# Altium PCB Starboard Solar Panel 2U.PcbDoc
Units mm, origin at the board's own origin, x right, y up, seen from the top; angles counter-clockwise.
Board outline 214 x 87 mm, 2 copper layers (Top Layer, Bottom Layer), stack 1.649 mm thick; 64 components, 44 nets, 228 pads, 723 vias.
Unrouted connection lines stored in the file: 33.
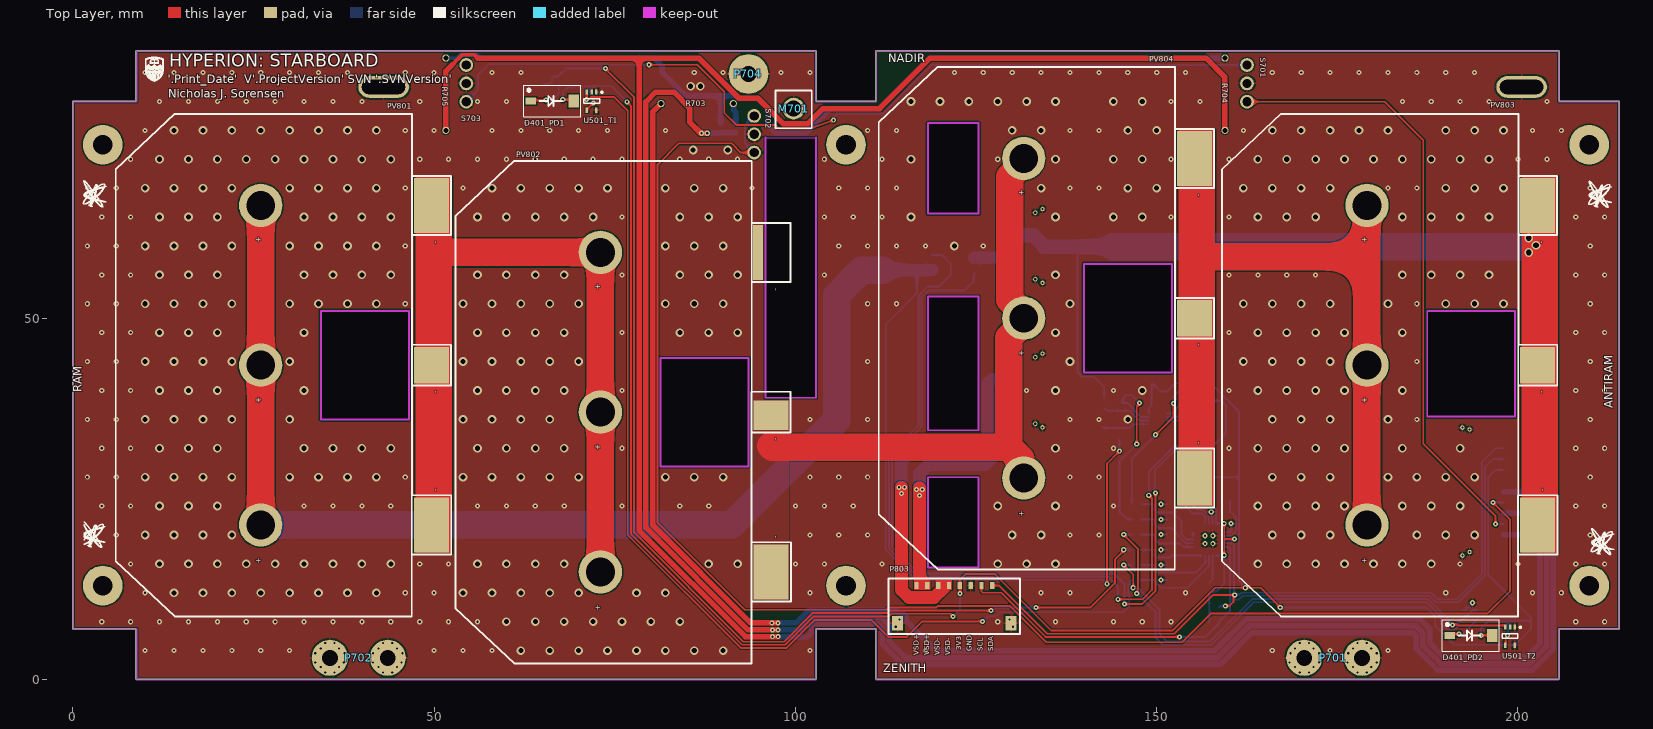
[diagram p0: Top Layer view]
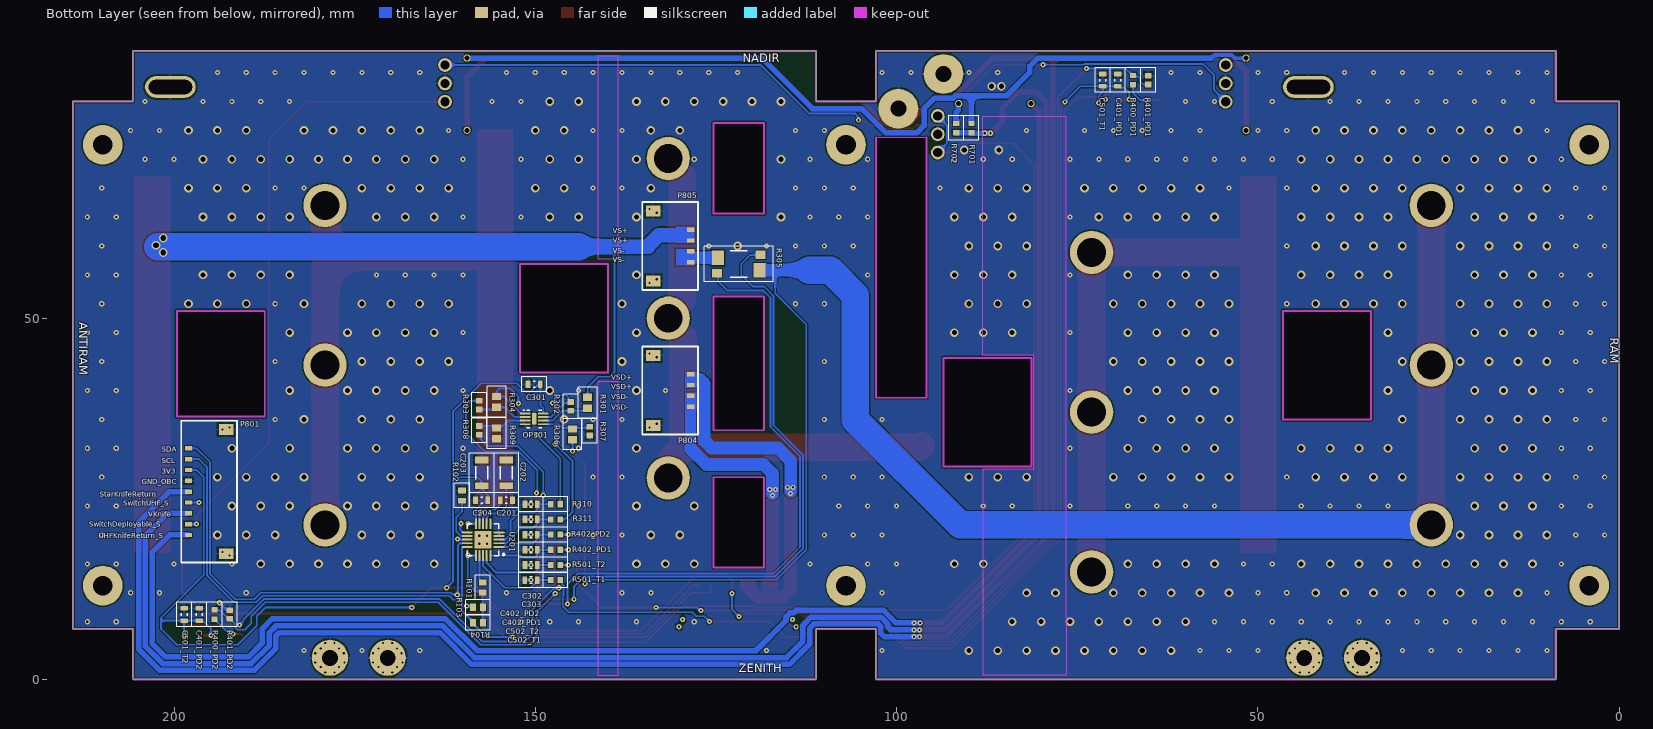
[diagram p1: Bottom Layer view, seen from below]

## Layer stack, top to bottom
Top Solder: solder mask 0.01, Solder Resist, Dk 3.5
Top Layer: signal copper 0.07
Dielectric 1: dielectric 1.509, FR-4, Dk 4.8
Bottom Layer: signal copper 0.07
Bottom Solder: solder mask 0.01, Solder Resist, Dk 3.5

## Board outline
0,7 8.7,7 8.7,0 102.85,0 102.85,7 111.15,7 111.15,0 205.7,0 205.7,7 214,7 214,80 205.697,80 205.697,87 111.15,87 111.15,80 102.85,80 102.85,87 8.7,87 8.7,80 0,80
cut-out: 118.35,28 125.35,28 125.35,15.5 118.35,15.5
cut-out: 118.35,53 125.35,53 125.35,34.5 118.35,34.5
cut-out: 118.35,77 125.35,77 125.35,64.5 118.35,64.5
cut-out: 93.5,44.5 81.35,44.5 81.35,29.5 93.5,29.5
cut-out: 46.5,51 34.35,51 34.35,36 46.5,36
cut-out: 95.85,75 102.85,75 102.85,39 95.85,39
cut-out: 199.6,51 187.45,51 187.45,36.4 199.6,36.4
cut-out: 152.1,57.5 139.95,57.5 139.95,42.5 152.1,42.5

## Design rules (kind name [scope] priority, off if disabled: settings)
BoardOutlineClearance BoardOutlineClearance_1 [InComponent('PV80?') and OnSilkscreen] p1: gap=0 ignorepadtopadclearanceinfootprint=FALSE
BoardOutlineClearance [All] p2: gap=0.254 ignorepadtopadclearanceinfootprint=FALSE
Clearance Clearance_1 [(InComponent('P701') OR InComponent('P702')) AND InNet('V-') vs InNet('GND')] p1: gap=0.5 ignorepadtopadclearanceinfootprint=FALSE
Clearance [All] p2: gap=0.178 ignorepadtopadclearanceinfootprint=FALSE
HoleSize [All] p1: absolutevalues=TRUE maxlimit=6 minlimit=0.3 maxpercent=80.000 minpercent=20.000
MinimumAnnularRing [All] p1: minimumring=0.15
MinimumSolderMaskSliver [All] p1: minsoldermaskwidth=0.127
NetAntennae [NOT(InNet('VIN6'))] p1: netantennaetolerance=0
PolygonConnect [All] p1: connectstyle=Relief reliefconductorwidth=0.254 reliefentries=4 polygonreliefangle="90 Angle" airgapwidth=0.254
RoutingVias [All] p1: holewidth=0.3 width=0.7 viastyle="Through Hole" minholewidth=0.2 minwidth=0.4 maxholewidth=6 maxwidth=7 useviatemplates=TRUE viatemplateguid#1={C0ACB580-7B02-4CDD-BB7A-85277FB6FBC0} viatemplatename#1=v70h30m0mx0
SilkToSilkClearance [All] p1: silktosilkclearance=0.025
SilkToSolderMaskClearance [IsPad] p1: minsilkscreentomaskgap=0.025 clearancetoexposedcopper=TRUE
SolderMaskExpansion [All] p1: expansion=0.076 istentingtop=FALSE
Width [All] p1: maxlimit=10.16 minlimit=0.203 preferedwidth=0.254
25 further rules are at their usual default settings.

## Classes and differential pairs
channel class Temp_Sensor: T1 T2 T3
channel class Photodiode_Sun_Sensor: PD1 PD2 PD3
component class T2: C501_T2 C502_T2 R501_T2 U501_T2
component class T1: C501_T1 C502_T1 R501_T1 U501_T1
component class "Starboard 2U": R101 R102 R103 R104
component class Headers: P801 P803 P804 P805
component class PD2: C401_PD2 C402_PD2 D401_PD2 R400_PD2 R401_PD2 R402_PD2
component class PD1: C401_PD1 C402_PD1 D401_PD1 R400_PD1 R401_PD1 R402_PD1
component class "Mechanical Interfacing": M701 P701 P702 P704 R701 R702 R703 R704 R705 S701 S702 S703
component class "Current and Voltage Sensors": C301 C302 C303 OP301 R301 R302 R303 R304 R305 R306 R307 R308 R309 R310 R311
component class "Photovoltaic Array": 3 PV801 PV802 PV803 PV804 Q101
net class VIN[0..7]: VIN0 VIN1 VIN2 VIN3 VIN4 VIN5 VIN6
component class "U_AD7291 12-Bit I2C ADC": C201 C202 C203 C204 U201

## Components (designator, comment, footprint, x,y, rotation, side; value= is the part's Value field where it differs from the comment)
C201 "Cap" TDK-CGA3E 154.013,24.796 r0 bottom value=1µF
C202 "Cap" TDK-CGA5L 154.013,28.596 r90 bottom value=10µF
C203 "Cap" TDK-CGA5L 157.413,28.596 r90 bottom value=10µF
C204 "Cap" TDK-CGA3E 157.413,24.805 r180 bottom value=0.1µF
C301 "Cap" TDK-CGA3E 150.148,40.873 r180 bottom value=0.1µF
C302 "Cap" TDK-CGA3E 150.587,24.253 r180 bottom value=680pF
C303 "Cap" TDK-CGA3E 150.587,22.153 r180 bottom value=680pF
C401_PD1 "Cap" TDK-CGA3E 69.377,82.94 r270 bottom value=0.1µF (schematic designator C401)
C401_PD2 "Cap" TDK-CGA3E 196.51,8.996 r270 bottom value=0.1µF (schematic designator C401)
C402_PD1 "Cap" TDK-CGA3E 150.587,17.953 r180 bottom value=680pF (schematic designator C402)
C402_PD2 "Cap" TDK-CGA3E 150.587,20.053 r180 bottom value=680pF (schematic designator C402)
C501_T1 "Cap" TDK-CGA3E 71.465,82.95 r270 bottom value=0.1µF (schematic designator C501)
C501_T2 "Cap" TDK-CGA3E 198.6,9 r270 bottom value=0.1µF (schematic designator C501)
C502_T1 "Cap" TDK-CGA3E 150.591,13.76 r180 bottom value=680pF (schematic designator C502)
C502_T2 "Cap" TDK-CGA3E 150.586,15.842 r180 bottom value=680pF (schematic designator C502)
D401_PD1 "PDB-C160SMCT-ND" PDB-C160SM 63.4,80.05 r0 top (schematic designator D401)
D401_PD2 "PDB-C160SMCT-ND" PDB-C160SM 190.535,6.1 r0 top (schematic designator D401)
M701 "2U_Antenna_Saddle-Mod1" 2U_ANTENNA_SADDLE-MOD1 99.75,79 r270 top
OP301 "OPA2333" TI-DSG0008A 150.148,36.073 r180 bottom
P701 "Mounting_Hole" DEPHINGE_MOUNTING_HOLE_BODY 178.425,3 r180 top
P702 "Mounting_Hole" DEPHINGE_MOUNTING_HOLE_BODY 35.575,3 r0 top
P704 "Mounting_Hole" BURNWIRE_SCREW 93.5,83.8 r0 top
P801 "WM10144CT-ND" MOLX-5040500991 198,26 r90 bottom
P803 "WM14421CT-ND" MOLX-5040500891 122,13 r0 top
P804 "WM10137CT-ND" MOLX-5040500491 128.5,40 r270 bottom
P805 "WM10137CT-ND" MOLX-5040500491 128.5,60 r270 bottom
PV801 "XTJPrime" "XTJ PRIME"#1 26,43.5 r270 top
PV802 "XTJPrime" "XTJ PRIME"#2 73,37 r270 top
PV803 "XTJPrime" "XTJ PRIME"#1 179.1,43.5 r270 top
PV804 "XTJPrime" "XTJ PRIME"#1 131.6,50 r270 top
R101 "Res3" VSH-0603MCT 157.273,12.727 r270 bottom value=10k
R102 "Res3" VSH-0603MCT 160.151,25.452 r90 bottom value=10k
R103 "Res3" VSH-0603MCT 157.939,9.971 r180 bottom value=10k
R104 "Res3" VSH-0603MCT 157.937,7.879 r180 bottom value=10k
R301 "0.1% 1/8W" PANA-ERA6A 142.752,38.298 r270 bottom value=1M
R302 "0.1% 1/10W 0603" PANA-ERA3A 145.102,37.798 r90 bottom value=154k
R303 "0.1% 1/10W 0603" PANA-ERA3A 157.741,37.973 r270 bottom value=2.4k
R304 "0.1% 1/8W" PANA-ERA6A 155.341,38.423 r90 bottom value=1M
R305 "Res Sense" VSH-2512R4C 121.85,57.5 r0 bottom value=0.01
R306 "0.1% 1/8W" PANA-ERA6A 144.848,33.923 r90 bottom value=1M
R307 "0.1% 1/10W 0603" PANA-ERA3A 142.448,34.373 r270 bottom value=154k
R308 "0.1% 1/10W 0603" PANA-ERA3A 157.741,34.473 r90 bottom value=2.4k
R309 "0.1% 1/8W" PANA-ERA6A 155.341,34.073 r270 bottom value=1M
R310 "Res3" PANA-ERJ3EK 147.187,24.253 r180 bottom value=100
R311 "Res3" PANA-ERJ3EK 147.187,22.153 r180 bottom value=100
R400_PD1 "Res3" PANA-ERJ3EK 67.271,82.945 r270 bottom value=9.09k (schematic designator R400)
R400_PD2 "Res3" PANA-ERJ3EK 194.4,9 r270 bottom value=9.09k (schematic designator R400)
R401_PD1 "0.1% 1/16W" PANA-ERA3A 65.175,82.946 r270 bottom value=24k (schematic designator R401)
R401_PD2 "0.1% 1/16W" PANA-ERA3A 192.31,8.996 r270 bottom value=24k (schematic designator R401)
R402_PD1 "Res3" PANA-ERJ3EK 147.187,17.952 r180 bottom value=100 (schematic designator R402)
R402_PD2 "Res3" PANA-ERJ3EK 147.187,20.053 r180 bottom value=100 (schematic designator R402)
R501_T1 "Res3" PANA-ERJ3EK 147.191,13.761 r180 bottom value=100 (schematic designator R501)
R501_T2 "Res3" PANA-ERJ3EK 147.186,15.841 r180 bottom value=100 (schematic designator R501)
R701 "Jumper" PANA-ERJ3G 89.65,76.3 r90 bottom value=0
R702 "Jumper" PANA-ERJ3G 91.75,76.3 r90 bottom value=0
R703 "Res3" VSH-CPF1 81.4,79.7 r0 top value=10
R704 "Res3" VSH-CPF1 159.45,76 r90 top value=10
R705 "Res3" VSH-CPF1 51.622,76 r90 top value=10
S701 "AV4424" PANA-AV4424 162.5,79.96 r90 top
S702 "AV4424" PANA-AV4424 94.3,78 r270 top
S703 "AV4424" PANA-AV4424 54.45,79.96 r90 top
U201 "AD7291" ADI-CP-20-8 157.229,19.353 r0 bottom
U501_T1 "TMP235AEDCKRQ1" TI-R-PDSO-G5 71.8,80.05 r270 top (schematic designator U501)
U501_T2 "TMP235AEDCKRQ1" TI-R-PDSO-G5 198.9,6 r270 top (schematic designator U501)

## Footprints (in the part's own frame and the unit in brackets; to place one, negate y for a bottom-side part, rotate by r counter-clockwise, add the part's x,y. Pads: shape width x height; smd on the part's side, far side on the other; paste and mask are expansions set on the pad)
2U_ANTENNA_SADDLE-MOD1 [mm] "2U saddle for attaching antenna to panel with one screw"
  round 3 / inner round 4 / far side round 5.5 hole 2.2: 1(0,0)
  silkscreen extent -2.5,-2.5 2.7,2.5, body extent -2.25,-2.31 12.97,2.31, height 6.91
ADI-CP-20-8 [mm] "QFN, 20-Leads, Body 4.00x4.00mm, Pitch 0.50mm, Thermal Pad 2.55x2.55mm, IPC Low Density"
  rect 1.5x0.27 smd mask+0.038: 1(-2.2,1) 2(-2.2,0.5) 3(-2.2,0) 4(-2.2,-0.5) 5(-2.2,-1) 11(2.2,-1) 12(2.2,-0.5) 13(2.2,0) 14(2.2,0.5) 15(2.2,1)
  rect 0.27x1.5 smd mask+0.038: 6(-1,-2.2) 7(-0.5,-2.2) 8(0,-2.2) 9(0.5,-2.2) 10(1,-2.2) 16(1,2.2) 17(0.5,2.2) 18(0,2.2) 19(-0.5,2.2) 20(-1,2.2)
  rect 2.4x2.4 smd: 21(0,0)
  silkscreen extent -2.97,-2.2 2.2,2.2, body extent -2.07,-2.07 2.07,2.07, height 0.8
BURNWIRE_SCREW [mm]
  round 5.5 hole 2.2: 1(0,0)
  body extent -2.25,-2.31 2.25,2.31, height 2.15
DEPHINGE_MOUNTING_HOLE_BODY [mm]
  round 5 hole 2.2: 1(0,0) 1(8,0)
MOLX-5040500491 [mm]
  rect 0.6x1 smd: 1(-2.25,0) 2(-0.75,0) 3(0.75,0) 4(2.25,0)
  round 0.6 hole 0.3 mask+0.102: M1(-5.105,-5.7) M1(-4.605,-4.7) M2(4.605,-4.7) M2(5.105,-5.7)
  rect 1.5x2 smd: M1(-4.855,-5.2) M2(4.855,-5.2)
  silkscreen extent -6.1,-6.7 6.1,1, body extent -5.28,-8.2 5.28,0.39, height 2.01
MOLX-5040500891 [mm]
  rect 0.6x1 smd: 1(-5.25,0) 2(-3.75,0) 3(-2.25,0) 4(-0.75,0) 5(0.75,0) 6(2.25,0) 7(3.75,0) 8(5.25,0)
  round 0.7 hole 0.3 mask+0.102: M1(-8.105,-5.7) M1(-7.605,-4.7) M2(7.605,-4.7) M2(8.105,-5.7)
  rect 1.5x2 smd: M1(-7.855,-5.2) M2(7.855,-5.2)
  silkscreen extent -9.1,-6.7 9.1,1, body extent -8.28,-8.2 8.27,0.39, height 2.01
MOLX-5040500991 [mm]
  rect 0.6x1 smd: 1(-6,0) 2(-4.5,0) 3(-3,0) 4(-1.5,0) 5(0,0) 6(1.5,0) 7(3,0) 8(4.5,0) 9(6,0)
  round 0.6 hole 0.3 mask+0.102: M1(-8.855,-5.7) M1(-8.355,-4.7) M2(8.605,-4.7) M2(8.855,-5.7)
  rect 1.5x2 smd mask+0.102: M1(-8.605,-5.2) M2(8.605,-5.2)
  silkscreen extent -9.8,-6.7 9.8,1, body extent -9.02,-8.2 9.03,0.24, height 1.97
PANA-AV4424 [mm]
  round 1.905 hole 1.27: 1(2.54,0) 2(0,0) 3(5.08,0)
  body extent -1.21,-1.25 6.29,1.25, height 5.81
PANA-ERA3A [mm] "Chip Resistor, 2-Leads, Body 1.60x0.80mm, IPC High Density"
  rect 0.8x0.9 smd: 1(-0.6,0) 2(0.6,0)
  silkscreen extent -1.7,-1.05 1.7,1.05, body extent -0.9,-0.5 0.9,0.5, height 0.55
PANA-ERA6A [mm] "Chip Resistor, 2-Leads, Body 2.00x1.25mm, IPC High Density"
  rect 1x1.25 smd: 1(-0.75,0) 2(0.75,0)
  silkscreen extent -2.15,-1.3 2.15,1.3, body extent -1.1,-0.67 1.1,0.67, height 0.6
PANA-ERJ3EK [mm] "Chip Resistor, 2-Leads, Body 1.60x0.85mm, IPC High Density"
  rect 0.75x0.85 smd: 1(-0.65,0) 2(0.65,0)
  silkscreen extent -1.7,-1.05 1.7,1.05, body extent -0.88,-0.48 0.87,0.48, height 0.55
PANA-ERJ3G [mm] "Chip Resistor, 2-Leads, Body 1.60x0.85mm, IPC High Density"
  rect 0.75x0.85 smd: 1(-0.65,0) 2(0.65,0)
  silkscreen extent -1.7,-1.05 1.7,1.05, body extent -0.88,-0.48 0.87,0.48, height 0.55
PDB-C160SM [mm] "Photodiode"
  rect 1.45x1 smd: 1(0,0)
  rect 1.45x1.8 smd: 2(5.9,0)
  silkscreen extent -1,-2.2 6.9,2.2, body extent -0.29,-1.87 6.18,1.97, height 1.15
TDK-CGA3E [mm] "Chip Capacitor, 2-Leads, Body 1.60x0.80mm, IPC Low Density"
  rect 0.65x1.05 smd: 1(-0.85,0) 2(0.85,0)
  silkscreen extent -1.7,-1.05 1.7,1.05, body extent -0.85,-0.45 0.85,0.45, height 0.8
TDK-CGA5L [mm] "Chip Capacitor, 2-Leads, Body 3.20x1.60mm, IPC Low Density"
  rect 0.95x1.9 smd: 1(-1.775,0) 2(1.775,0)
  silkscreen extent -2.75,-1.7 2.75,1.7, body extent -1.7,-0.9 1.7,0.9, height 1.6
TI-DSG0008A [mm] "SON, 8-Leads, Body 2.00x2.00mm, Pitch 0.50mm, Thermal Pad 1.60x0.69mm, IPC Low Density"
  rect 1.4x0.27 smd mask+0.051: 1(-1.245,0.75) 2(-1.245,0.25) 3(-1.245,-0.25) 4(-1.245,-0.75) 5(1.245,-0.75) 6(1.245,-0.25) 7(1.245,0.25) 8(1.245,0.75)
  rect 0.6x1.6 smd mask+0.051: 9(0,0)
  silkscreen extent -1.5,-1.2 1.05,1.25, body extent -1.05,-1.05 1.05,1.05, height 0.8
TI-R-PDSO-G5 [mm] "SOT23, 5-Leads, Body 2.00x2.10mm, Pitch 0.65mm, IPC Low Density"
  rect 0.712x0.35 smd: 1(-1.266,0.65) 2(-1.266,0) 3(-1.266,-0.65) 4(1.266,-0.65) 5(1.266,0.65)
  silkscreen extent -1.35,-1.1 0.3,1.55, body extent -1.2,-1.07 1.2,1.08, height 1.1
VSH-0603MCT [mm] "Chip Resistor, 2-Leads, Body 1.55x0.85mm, IPC Low Density"
  rect 0.8x1.05 smd: 1(-0.7,0) 2(0.7,0)
  silkscreen extent -1.7,-1.05 1.7,1.05, body extent -0.8,-0.48 0.8,0.48, height 0.55
VSH-2512R4C [mm]
  rect 1.65x2.01 smd: 1(-2.855,0.835) 2(2.855,-0.835)
  rect 1.39x1.14 smd: 3(2.999,1.27) 4(-2.999,-1.27)
  silkscreen extent -4.8,-2.45 4.8,2.45, body extent -3.15,-1.55 3.15,1.55, height 0.61
VSH-CPF1 [mm] "RESISTOR METAL FILM 1W 1.00K OHM"
  round 1 hole 0.7: 1(0,0) 2(10,0)
  body extent -0.23,-1.13 10.28,1.19, height 3.81
"XTJ PRIME"#1 [mil] "Spectrolab Solar Cell"
  round 236.22 hole 157.48: 1(-870.5,0) 1(0,0) 1(870.5,0)
  rect 300x190 smd: 2(-870.5,930) 2(870.5,930)
  rect 200x190 smd: 2(0,930)
  silkscreen extent -1369,-790 1369,1038, body extent -1356,-778 1356,1006, height 63
"XTJ PRIME"#2 [mil] "Spectrolab Solar Cell"
  round 236.22 hole 157.48: 1(-870.5,0) 1(0,0) 1(870.5,0)
  rect 300x55.12 smd: 2(-870.5,859.45)
  rect 160.63x190 smd: 2(15.75,930)
  rect 300x190 smd: 2(870.5,930)
  silkscreen extent -1369,-790 1369,1038, body extent -1357,-778 1356,1006, height 63

## Part data
C201: library part PC-TDK-02603, "CAP CER 1UF 25V X7R 0603", Manufacturer Part Number=CGA3E1X7R1E105K080AC, Supplier Part Number 1=445-6931-1-ND, Temperature Coefficient=X7R, Tolerance=±10%, Voltage - Rated=25V, Applications=Automotive, Index=2603, LatestRevisionDate=2016-03-16, LatestRevisionNote=..., PackageDescription="Radial Cap, Thru-Hole; 2 Leads; 0.3 in Pin Spacing", PackageReference="0603 (1608 Metric)", Part Number=PC-TDK-02603, Published=2016-03-16, Publisher=AlbertaSat, Supplier 1=Digi-key, Supplier Link=http://www.digikey.ca/product-search/en?keywords=445-6931-1-ND
C202 C203: library part PC-TDK-02917, "CAP CER 10UF 25V X7R 1206", Manufacturer Part Number=CGA5L1X7R1E106K160AC, Supplier Part Number 1=445-6990-1-ND, Temperature Coefficient=X7R, Tolerance=±10%, Voltage - Rated=25V, Applications=Automotive, Index=2917, LatestRevisionDate=3/16/2016, LatestRevisionNote=..., PackageDescription="Radial Cap, Thru-Hole; 2 Leads; 0.3 in Pin Spacing", PackageReference="1206 (3216 Metric)", Part Number=PC-TDK-02917, Published=3/16/2016, Publisher=AlbertaSat, Supplier 1=Digi-key, Supplier Link=http://www.digikey.ca/product-search/en?keywords=445-6990-1-ND
C204 C301 C401_PD1 C401_PD2 C501_T1 C501_T2: library part PC-TDK-02270, "CAP CER 0.1UF 25V X7R 0603", Manufacturer Part Number=CGA3E2X7R1E104M080AA, Supplier Part Number 1=445-12541-1-ND, Temperature Coefficient=X7R, Tolerance=±20%, Voltage - Rated=25V, Applications=Automotive, Index=2270, LatestRevisionDate=3/16/2016, LatestRevisionNote=..., PackageDescription="Radial Cap, Thru-Hole; 2 Leads; 0.3 in Pin Spacing", PackageReference="0603 (1608 Metric)", Part Number=PC-TDK-02270, Published=3/16/2016, Publisher=AlbertaSat, Supplier 1=Digi-key, Supplier Link=http://www.digikey.ca/product-search/en?keywords=445-12541-1-ND
C302 C303 C402_PD1 C402_PD2 C502_T1 C502_T2: library part PC-TDK-01433, "CAP CER 680PF 50V X7R 0603", Manufacturer Part Number=CGA3E2X7R1H681K, Supplier Part Number 1=445-6919-1-ND, Temperature Coefficient=X7R, Tolerance=±10%, Voltage - Rated=50V, Applications=Automotive, Index=1433, LatestRevisionDate=3/16/2016, LatestRevisionNote=..., PackageDescription="Radial Cap, Thru-Hole; 2 Leads; 0.3 in Pin Spacing", PackageReference="0603 (1608 Metric)", Part Number=PC-TDK-01433, Published=3/16/2016, Publisher=AlbertaSat, Supplier 1=Digi-key, Supplier Link=http://www.digikey.ca/product-search/en?keywords=445-6919-1-ND
D401_PD1 D401_PD2: library part PXX-ADP-00000, "SENSOR PHOTODIODE 850NM 2SMD GW", Manufacturer Part Number="Advanced Photonics", Index=1, LatestRevisionDate=3/28/2020, LatestRevisionNote=..., PackageReference=PIN2, Part Number=PXX-ADP-00000, Published=3/28/2020, Publisher=AlbertaSat, Supplier 1=Digi-key, Supplier Part Number 1=PDB-C160SMCT-ND
M701: library part PXX-ABS-00019, Manufacturer Part Number=Custom, Index=19, LatestRevisionNote=..., Part Number=PXX-ABS-00019, Publisher=AlbertaSat, Supplier 1=Digi-key
OP301: library part 73, "CMOS Amplifier 2 Circuit Rail-to-Rail 8-WSON (2x2)", Manufacturer Part Number=OPA2333PIDSGR, Operating Temperature="-55°C ~ 150°C", Supplier Part Number 1=296-51501-1-ND, Voltage - Supply="1.8V ~ 5.5V, ±0.9V ~ 2.75V", PackageReference="8-WFDFN Exposed Pad", Part Number=73, Supplier 1=Digi-Key, Supplier 2=Mouser, Supplier Link=#https://www.digikey.ca/product-detail/en/texas-instruments/OPA2333PIDSGR/296-51501-1-ND/9745865#, Supplier Part Number 2=595-OPA2333PIDSGR
P701 P702: library part PXX-ABS-00004, Manufacturer Part Number=Custom, Index=4, LatestRevisionNote=..., Part Number=PXX-ABS-00004, Publisher=AlbertaSat, Supplier 1=Digi-key
P704: library part PXX-ABS-00015, Manufacturer Part Number=Custom, Index=15, LatestRevisionNote=..., Part Number=PXX-ABS-00015, Publisher=AlbertaSat, Supplier 1=Digi-key
P801: library part 68, "CONN HEADER SMD R/A 9POS 1.5MM", Manufacturer Part Number=5040500991, Supplier Part Number 1=WM25695CT-ND, LatestRevisionDate=17-Jul-2002, LatestRevisionNote="Re-released for DXP Platform.", Part Number=68, Publisher="Altium Limited", Supplier 1=Digi-Key, Supplier Link=#https://www.digikey.ca/product-detail/en/molex/5040500991/WM25695CT-ND/9954121#
P803: library part 67, "CONN HEADER SMD R/A 8POS 1.5MM", Manufacturer Part Number=5040500891, LatestRevisionDate=17-Jul-2002, LatestRevisionNote="Re-released for DXP Platform.", Part Number=67, Publisher="Altium Limited", Supplier 1=Digi-Key, Supplier Link=#https://www.digikey.ca/product-detail/en/molex/5040500891/WM14421CT-ND/6133151#, Supplier Part Number 1=WM14421CT-ND
P804 P805: library part 63, "CONN HEADER SMD R/A 4POS 1.5MM", Manufacturer Part Number=5040500491, LatestRevisionDate=17-Jul-2002, LatestRevisionNote="Re-released for DXP Platform.", Part Number=63, Publisher="Altium Limited", Supplier 1=Digi-Key, Supplier Link=#https://www.digikey.ca/product-detail/en/molex/5040500491/WM10137CT-ND/4357653#, Supplier Part Number 1=WM10137CT-ND
PV801 PV802 PV803 PV804: library part PBT-SPEC-00002, Manufacturer Part Number=Spectrolab, Supplier Part Number 1="UTJ CIC 26.26cm^2", Index=2, LatestRevisionNote=..., PackageReference="3-Connector Solar Cell", Part Number=PBT-SPEC-00002, Publisher=AlbertaSat, Supplier 1=Spectrolab
R101 R102 R103 R104: library part PR-VSH-00143, "RES SMD 10K OHM 1% 1/8W 0603", Manufacturer Part Number=MCT06030C1002FP500, Power - Rated=1/8W, Supplier Part Number 1=MCT0603-10.0K-CFCT-ND, Temperature Coefficient=±50ppm/°C, Tolerance=±1%, Applications="General Purpose", Index=143, LatestRevisionDate=3/14/2016, LatestRevisionNote=..., PackageDescription="Chip Resistor, 2-Leads, Body 1.55x0.85mm, IPC Low Density", PackageReference="0603 (1608 Metric)", Part Number=PR-VSH-00143, Published=3/14/2016, Publisher=AlbertaSat, Supplier 1=Digi-key, Supplier Link=http://www.digikey.ca/product-search/en?keywords=MCT0603-10.0K-CFCT-ND
R301 R304 R306 R309: library part 19706, "RES SMD 1M OHM 0.1% 1/8W 0805", Manufacturer Part Number=ERA-6AEB105V, Power="0.125W, 1/8W", Supplier Part Number 1=P1MDACT-ND, Temperature Coefficient=±25ppm/°C, Tolerance=±0.1%, LatestRevisionDate=29-May-2009, LatestRevisionNote="IPC-7351 Footprint Added.", PackageDescription="Chip Resistor, 2-Leads, Body 2.00x1.25mm, IPC Low Density", PackageReference="0805 (2012 Metric)", Part Number=19706, Published=8-Jun-2000, Publisher="Altium Limited", Supplier 1=Digi-Key, Supplier Link=http://www.digikey.ca/product-search/en?keywords=P1MDACT-ND
R302 R307: library part 18923, "RES SMD 154K OHM 0.1% 1/10W 0603", Manufacturer Part Number=ERA-3AEB1543V, Power="0.1W, 1/10W", Supplier Part Number 1=P154KDBCT-ND, Temperature Coefficient=±25ppm/°C, Tolerance=±0.1%, LatestRevisionDate=29-May-2009, LatestRevisionNote="IPC-7351 Footprint Added.", PackageDescription="Chip Resistor, 2-Leads, Body 1.60x0.80mm, IPC Low Density", PackageReference="0603 (1608 Metric)", Part Number=18923, Published=8-Jun-2000, Publisher="Altium Limited", Supplier 1=Digi-Key, Supplier Link=http://www.digikey.ca/product-search/en?keywords=P154KDBCT-ND
R303 R308: library part 16107, "RES SMD 2.4K OHM 0.1% 1/10W 0603", Manufacturer Part Number=ERA-3ARB242V, Power="0.1W, 1/10W", Supplier Part Number 1=P2.4KBDCT-ND, Temperature Coefficient=±10ppm/°C, Tolerance=±0.1%, LatestRevisionDate=29-May-2009, LatestRevisionNote="IPC-7351 Footprint Added.", PackageDescription="Chip Resistor, 2-Leads, Body 1.60x0.80mm, IPC Low Density", PackageReference="0603 (1608 Metric)", Part Number=16107, Published=8-Jun-2000, Publisher="Altium Limited", Supplier 1=Digi-Key, Supplier Link=http://www.digikey.ca/product-search/en?keywords=P2.4KBDCT-ND
R305: library part PR-VSH-00237, "RES SMD 0.01 OHM 0.1% 1W 2512", Manufacturer Part Number=Y14870R01000B9W, Power - Rated=1W, Supplier Part Number 1=Y1487-.01-ND, Temperature Coefficient=±15ppm/°C, Tolerance=±0.1%, Applications=Automotive, Index=237, LatestRevisionDate=2017-07-12, LatestRevisionNote=..., PackageReference=VSH-2512R4C, Part Number=PR-VSH-00237, Published=2017-07-12, Publisher=AlbertaSat, Supplier 1=Digi-key, Supplier Link=http://www.digikey.ca/product-search/en?keywords=Y1487-.01-ND
R310 R311 R402_PD1 R402_PD2 R501_T1 R501_T2: library part 14083, "RES SMD 100 OHM 1% 1/10W 0603", Manufacturer Part Number=ERJ-3EKF1000V, Power="0.1W, 1/10W", Supplier Part Number 1=P100HCT-ND, Temperature Coefficient=±100ppm/°C, Tolerance=±1%, LatestRevisionDate=29-May-2009, LatestRevisionNote="IPC-7351 Footprint Added.", PackageDescription="Chip Resistor, 2-Leads, Body 1.60x0.80mm, IPC Low Density", PackageReference="0603 (1608 Metric)", Part Number=14083, Published=8-Jun-2000, Publisher="Altium Limited", Supplier 1=Digi-Key, Supplier Link=http://www.digikey.ca/product-search/en?keywords=P100HCT-ND
R400_PD1 R400_PD2: library part 17130, "RES SMD 9.09K OHM 1% 1/10W 0603", Manufacturer Part Number=ERJ-3EKF9091V, Power="0.1W, 1/10W", Supplier Part Number 1=P9.09KHCT-ND, Temperature Coefficient=±100ppm/°C, Tolerance=±1%, LatestRevisionDate=29-May-2009, LatestRevisionNote="IPC-7351 Footprint Added.", PackageDescription="Chip Resistor, 2-Leads, Body 1.60x0.80mm, IPC Low Density", PackageReference="0603 (1608 Metric)", Part Number=17130, Published=8-Jun-2000, Publisher="Altium Limited", Supplier 1=Digi-Key, Supplier Link=http://www.digikey.ca/product-search/en?keywords=P9.09KHCT-ND
R401_PD1 R401_PD2: library part 17836, "RES SMD 24K OHM 0.1% 1/10W 0603", Manufacturer Part Number=ERA-3ARB243V, Power="0.1W, 1/10W", Supplier Part Number 1=P24KBDCT-ND, Temperature Coefficient=±10ppm/°C, Tolerance=±0.1%, LatestRevisionDate=29-May-2009, LatestRevisionNote="IPC-7351 Footprint Added.", PackageDescription="Chip Resistor, 2-Leads, Body 1.60x0.80mm, IPC Low Density", PackageReference="0603 (1608 Metric)", Part Number=17836, Published=8-Jun-2000, Publisher="Altium Limited", Supplier 1=Digi-Key, Supplier Link=http://www.digikey.ca/product-search/en?keywords=P24KBDCT-ND